# Altium PCB MCU036A_MSP-EXP430FR2355_PCB.PcbDoc (part 1 of 2)
Units mil, origin at the board's own origin, x right, y up, seen from the top; angles counter-clockwise.
Board outline 2300 x 2900 mil, 4 copper layers (Top Layer, VCC Layer, GND Layer, Bottom Layer), stack 62.4 mil thick; 140 components, 113 nets, 453 pads, 278 vias.
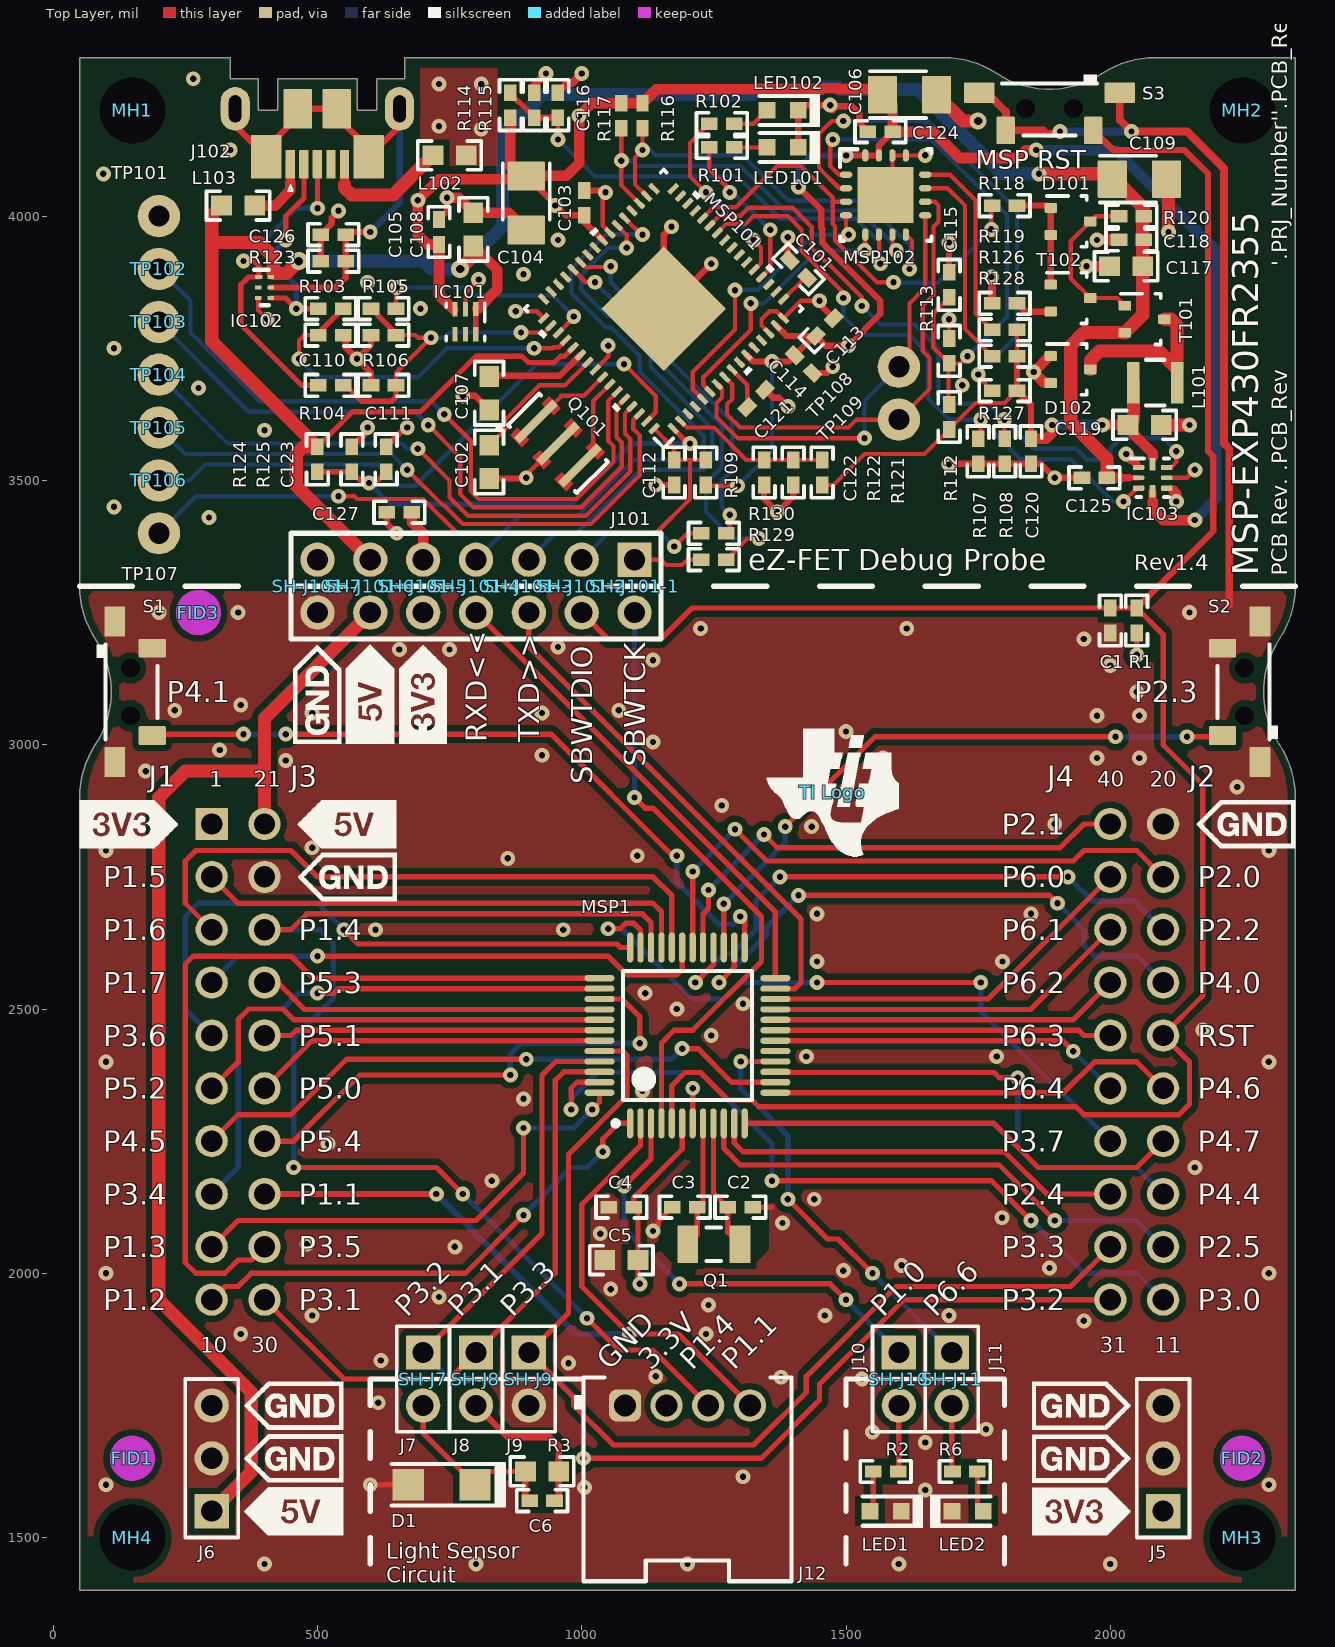
[diagram p0: Top Layer view]
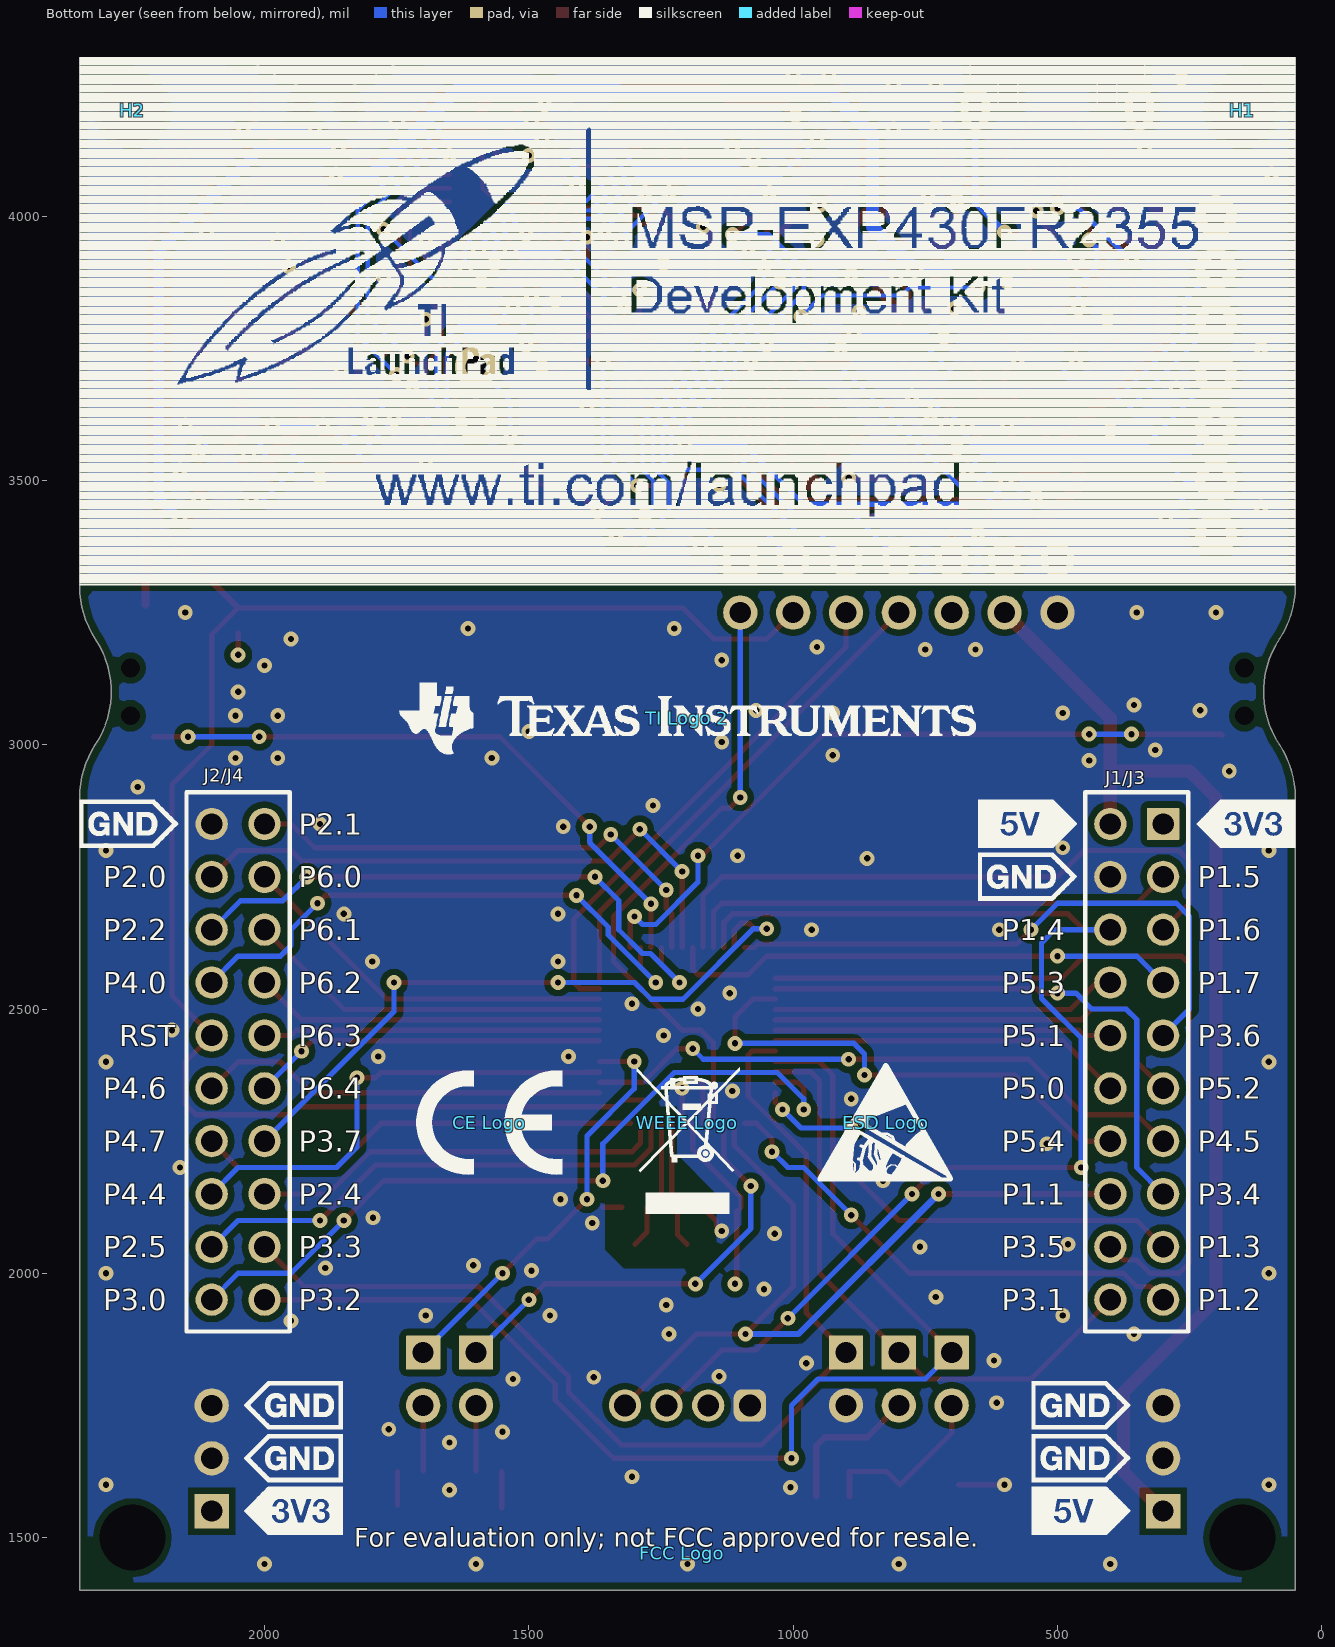
[diagram p1: Bottom Layer view, seen from below]
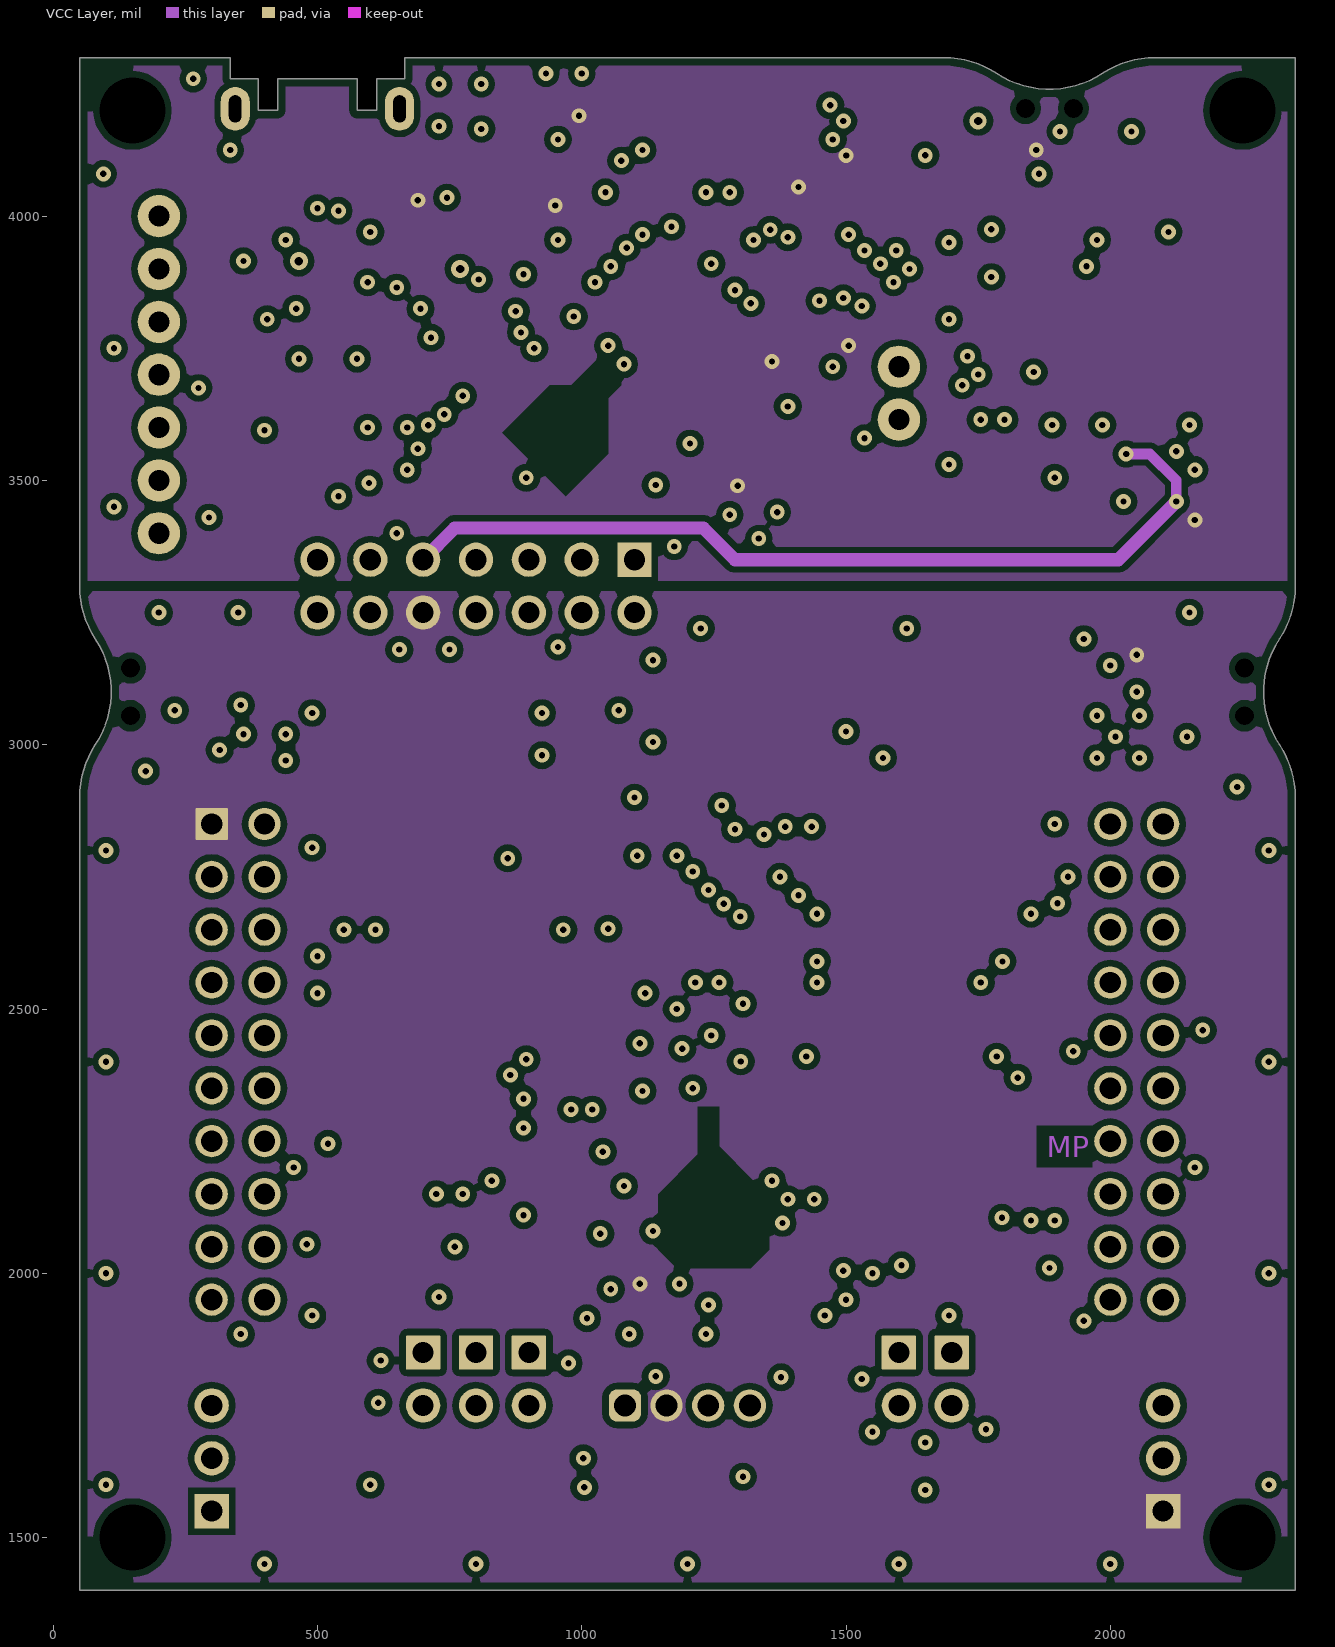
[diagram p2: VCC Layer]
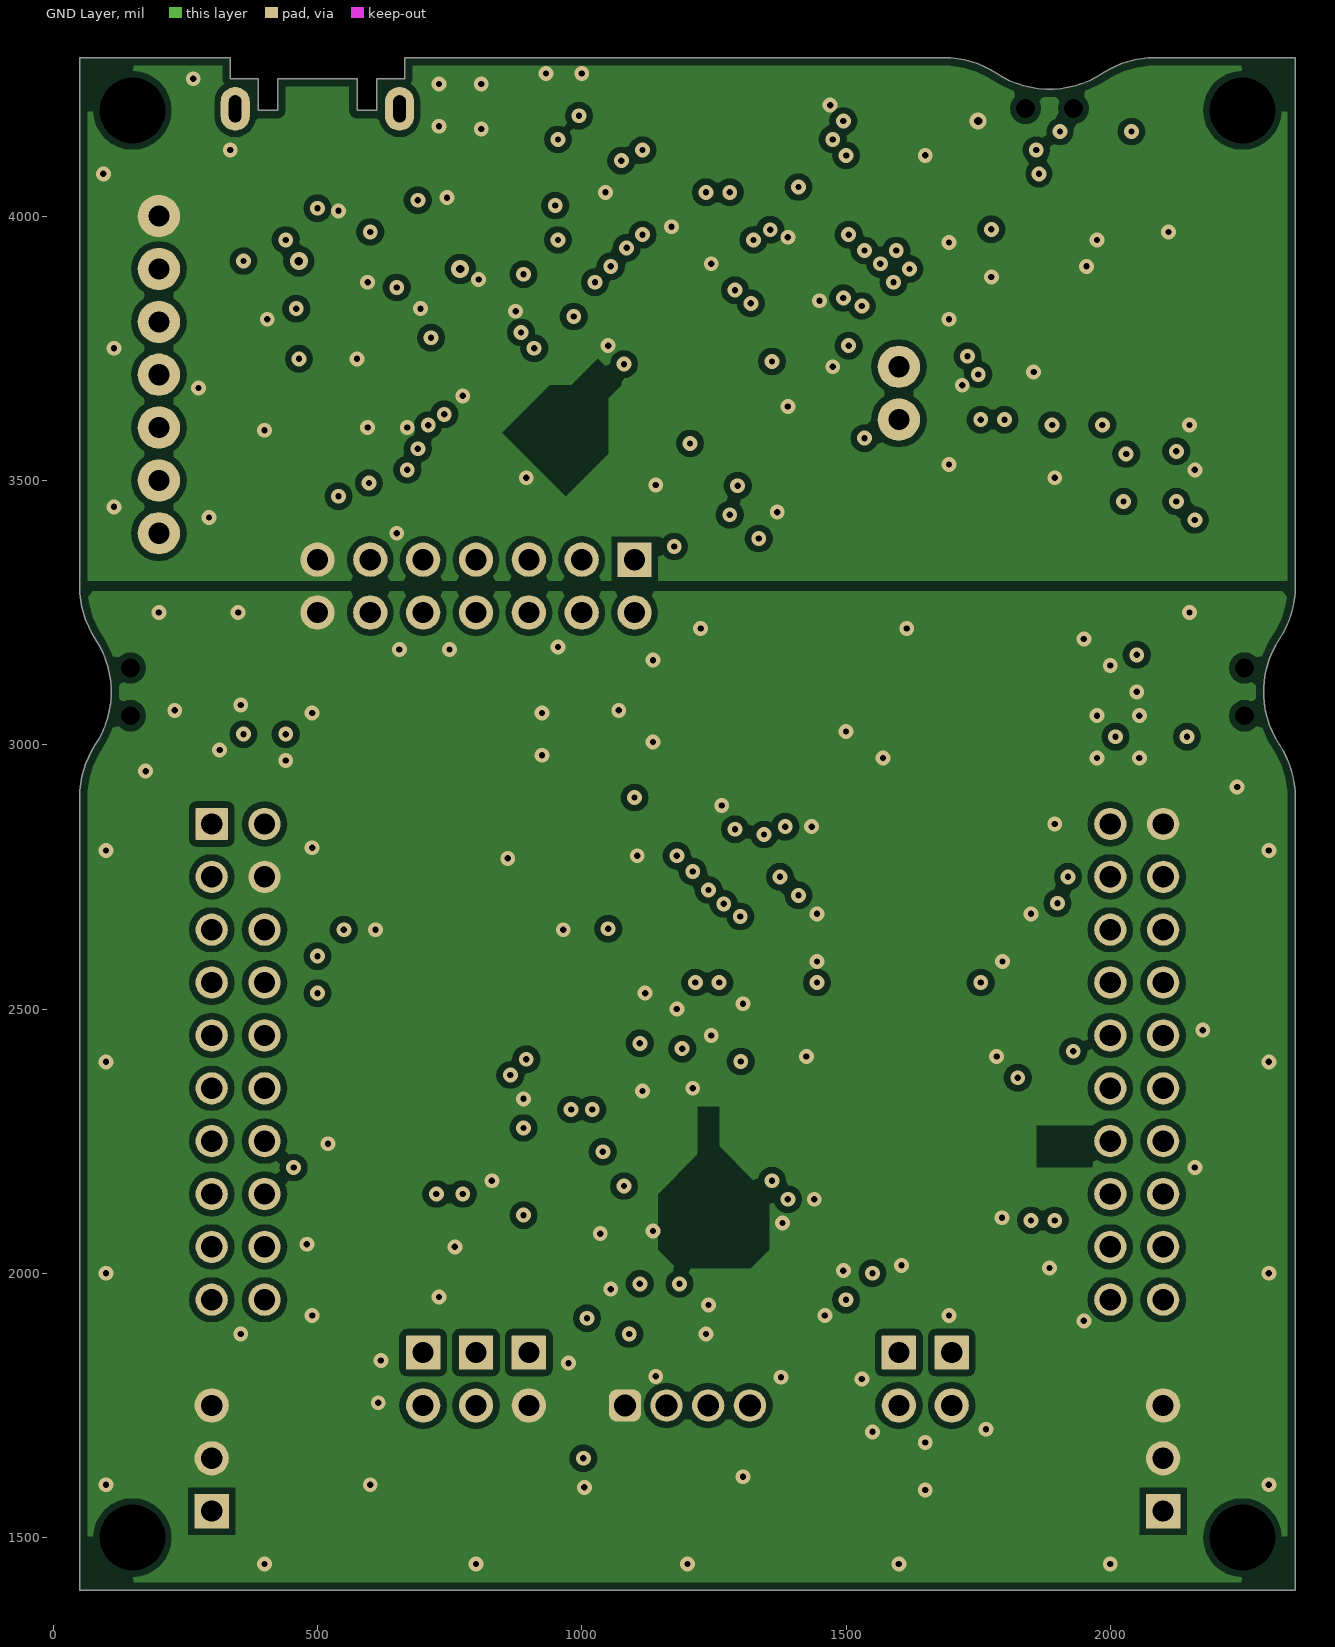
[diagram p3: GND Layer]

## Layer stack, top to bottom
Top Solder: solder mask 0.4, Solder Resist, Dk 3.5
Top Layer: signal copper 1.4
Dielectric 2: core 8.4, FR-4, Dk 4.2
VCC Layer: signal copper 1.4
Dielectric1: prepreg 40, FR-4, Dk 4.2
GND Layer: signal copper 1.4
Dielectric 3: core 8.4, FR-4, Dk 4.2
Bottom Layer: signal copper 1.4
Bottom Solder: solder mask 0.4, Solder Resist, Dk 3.5

## Board outline
50,2900 cw(c231.67,2900) 80,3000 ccw(c-71.67,3100) 80,3200 cw(c231.67,3300) 50,3300 50,4300 335,4300 335,4260 388,4260 388,4200 425,4200 425,4260 575,4260 575,4200 612,4200 612,4260 665,4260 665,4300 1685,4300 cw(c1685,4118.33) 1785,4270 ccw(c1885,4421.67) 1985,4270 cw(c2085,4118.33) 2085,4300 2350,4300 2350,3300 cw(c2168.33,3300) 2320,3200 ccw(c2471.67,3100) 2320,3000 cw(c2168.33,2900) 2350,2900 2350,1400 50,1400

## Design rules (kind name [scope] priority, off if disabled: settings)
AcuteAngle [All] p1: minimum=4.50000000000000E+0001 checktracksonly=FALSE
AssemblyTestPointUsage [All] p1: valid=2
BoardOutlineClearance BoardOutlineClearance_MountingHoles [OnCopper and InComponentClass('Mounting Holes')] p1: gap=15 ignorepadtopadclearanceinfootprint=FALSE
BoardOutlineClearance BoardOutlineClearance_Poly [OnCopper and IsPoly] p2: gap=15 ignorepadtopadclearanceinfootprint=FALSE
BoardOutlineClearance [OnCopper and Not InComponentClass('Logo') and not InComponentClass('FiducialMark') and not InRegion(1000,500,4000,800) and not InPoly] p3: gap=10 ignorepadtopadclearanceinfootprint=FALSE
Clearance Clearance_FiducialMark [IsKeepOut and InComponentClass('FiducialMark') vs IsPad and InComponentClass('FiducialMark')] p1: gap=0 ignorepadtopadclearanceinfootprint=FALSE
Clearance Clearance_Keepouts [((IsTrack Or IsArc) And Not InPoly) And IsFree and IsKeepOut vs ((IsTrack Or IsArc) And Not InPoly) And IsFree and IsKeepOut] p2: gap=0 ignorepadtopadclearanceinfootprint=FALSE
Clearance Clearance_Poly [InPolygon] p3: gap=12 ignorepadtopadclearanceinfootprint=FALSE except(0: Arc-Hole Track-Hole SMDPad-Hole THPad-Hole Via-Hole Fill-Hole Poly-Hole Region-Hole Text-Hole)
Clearance [All] p4: gap=7.87 ignorepadtopadclearanceinfootprint=FALSE except(0: Arc-Hole Track-Hole SMDPad-Hole THPad-Hole Via-Hole Fill-Hole Poly-Hole Region-Hole Text-Hole)
ComponentClearance ComponentClearance_Standoffs [HasFootprint('KY_MAE-10') vs HasFootprint('NPTH125mil')] p1: gap=0 collisioncheckmode=3 verticalgap=0 showdistances=FALSE
ComponentClearance ComponentClearance_2PinHeaders [HasFootprint('TSW-102-07-G-S') vs HasFootprint('TSW-102-07-G-S')] p2: gap=0 collisioncheckmode=3 verticalgap=0 showdistances=FALSE
ComponentClearance ComponentClearance_TestPoint [HasFootprint('Keystone5001') vs HasFootprint('Keystone5001')] p3: gap=1 collisioncheckmode=3 verticalgap=10 showdistances=FALSE
ComponentClearance ComponentClearance_MountingHoles_FiducialMarks [InComponentClass('Mounting Holes') vs InComponentClass('FiducialMark')] p4: gap=10 collisioncheckmode=3 verticalgap=10 showdistances=FALSE
ComponentClearance ComponentClearance_ShuntToShunt [InComponentClass('Shunt') vs InComponentClass('Shunt')] p5: gap=0 collisioncheckmode=3 verticalgap=0 showdistances=FALSE
ComponentClearance ComponentClearance_Shunt [InComponentClass('Header') vs InComponentClass('Shunt')] p6: gap=0 collisioncheckmode=3 verticalgap=0 showdistances=FALSE
ComponentClearance ComponentClearance_Logo [InComponentClass('Logo')] p7: gap=5 collisioncheckmode=3 verticalgap=10 showdistances=FALSE
ComponentClearance ComponentClearance_ScrewToNut [(HasFootprint('NY PMS 440 0025 PH')) vs (HasFootprint('Keystone_1902C'))] p8: gap=5 collisioncheckmode=3 verticalgap=10 showdistances=FALSE
ComponentClearance ComponentClearance_MountingHoles [InComponentClass('Mounting Holes')] p9: gap=250 collisioncheckmode=3 verticalgap=100000 showdistances=FALSE
ComponentClearance ComponentClearance_SmallPassives [HasFootprint('0201*') or HasFootprint('0402*') or HasFootprint('0508') or HasFootprint('0603*') or HasFootprint('0612') or HasFootprint('0805*') or HasFootprint('0815*') or HasFootprint('0830*') or HasFootprint('1206*') or HasFootprint('1210*') or HasFootprint('1808*') or HasFootprint('1812*') or HasFootprint('1825*') or HasFootprint('2010*') or HasFootprint('2220*') or HasFootprint('2225*') or HasFootprint('2512*') or HasFootprint('2728*') or HasFootprint('3518*') vs HasFootprint('0201*') or HasFootprint('0402*') or HasFootprint('0508') or HasFootprint('0603*') or HasFootprint('0612') or HasFootprint('0805*') or HasFootprint('0815*') or HasFootprint('0830*') or HasFootprint('1206*') or HasFootprint('1210*') or HasFootprint('1808*') or HasFootprint('1812*') or HasFootprint('1825*') or HasFootprint('2010*') or HasFootprint('2220*') or HasFootprint('2225*') or HasFootprint('2512*') or HasFootprint('2728*') or HasFootprint('3518*')] p10: gap=5 collisioncheckmode=3 verticalgap=0 showdistances=FALSE
ComponentClearance ComponentClearance_THtoSMT [IsThruComponent vs IsSMTComponent] p11: gap=10 collisioncheckmode=3 verticalgap=0 showdistances=FALSE
ComponentClearance ComponentClearance_THtoTH [IsThruComponent vs IsThruComponent] p12: gap=15 collisioncheckmode=3 verticalgap=0 showdistances=FALSE
ComponentClearance [All] p13: gap=15 collisioncheckmode=3 verticalgap=0 showdistances=FALSE
DiffPairsRouting [All] p1: maxlimit=100 minlimit=10 mostfreqgap=10 toplayer_minwidth=15 toplayer_maxwidth=15 toplayer_prefwidth=15 midlayer1_minwidth=15 midlayer1_maxwidth=15 midlayer1_prefwidth=15 midlayer2_minwidth=15 midlayer2_maxwidth=15 midlayer2_prefwidth=15 bottomlayer_minwidth=15 bottomlayer_maxwidth=15 bottomlayer_prefwidth=15 maxuncoupledlength=1000
FabricationTestPointUsage TestPointUsage [All] p1: valid=2 allowmultiple=FALSE
FabricationTestpoint Testpoint [All] p1: side=3 testpointundercomponent=TRUE minsize=40 maxsize=100 preferedsize=60 minholesize=0 maxholesize=40 preferedholesize=32 testpointgrid=1 allowsidetop=TRUE allowsidebottom=TRUE usegrid=TRUE gridtolerance=0.01
FanoutControl Fanout_LCC [IsLCC] p1: bgadir=Out bgaviamode=Centered fanoutstyle=Auto fanoutdirection=Alternating viagrid=1 // Fanout_LCC (Default Rule)
FanoutControl Fanout_BGA [IsBGA] p2: bgadir=Out bgaviamode=Centered fanoutstyle=Auto fanoutdirection=Alternating viagrid=1 // Fanout_BGA (Default Rule)
FanoutControl Fanout_Default [All] p4: bgadir=Out bgaviamode=Centered fanoutstyle=Auto fanoutdirection=Alternating viagrid=1 // Fanout_Default (Default Rule)
FanoutControl Fanout_Small [(CompPinCount < 5)] p5: bgadir=Out bgaviamode=Centered fanoutstyle=Auto fanoutdirection=OutThenIn viagrid=1 // Fanout_Small (Default Rule)
HoleSize [All] p1: absolutevalues=TRUE maxlimit=251 minlimit=7.87 maxpercent=80.000 minpercent=20.000
MinimumAnnularRing MinimumAnnularRing_ThermalPadVias [IsVia and InAnyComponent] p1: minimumring=5.91
MinimumAnnularRing [All] p2: minimumring=8
MinimumSolderMaskSliver MinimumSolderMaskSliver_Logo [InComponentClass('Logo') vs InComponentClass('Logo')] p1: minsoldermaskwidth=0.7
MinimumSolderMaskSliver [All] p2: minsoldermaskwidth=3.94
PlaneClearance [All] p1: clearance=10
PlaneConnect [All] p1: planeconnectstyle=Relief reliefexpansion=10 reliefentries=4 reliefconductorwidth=10 reliefairgap=10
PolygonConnect [All] p1: connectstyle=Direct reliefconductorwidth=10 reliefentries=4 polygonreliefangle="90 Angle" airgapwidth=10
RoutingVias ThermalPadVias [IsVia and InAnyComponent] p1: holewidth=7.87 width=19.68 viastyle="Through Hole" minholewidth=7.87 minwidth=19.68 maxholewidth=16 maxwidth=30
RoutingVias [All] p2: holewidth=12 width=28 viastyle="Through Hole" minholewidth=7.87 minwidth=26 maxholewidth=40 maxwidth=65
SilkToBoardRegionClearance [Not ((IsComment or IsDesignator) And (Hide <> 'False')) and not InRegion(1000,500,4000,800)] p1:
SilkToSilkClearance SilkToSilkClearance_Pb-FreeLogo [(HasFootprint('Pb-Free_Overlay_Medium') OR HasFootprint('Pb-Free_Overlay_Small')) vs (HasFootprint('Pb-Free_Overlay_Medium') OR HasFootprint('Pb-Free_Overlay_Small'))] p1: silktosilkclearance=0
SilkToSilkClearance [All] p2: silktosilkclearance=3
SilkToSolderMaskClearance SilkToComponentPadClearance [(IsPad or IsFill or IsRegion) and InAnycomponent] p1: minsilkscreentomaskgap=3 clearancetoexposedcopper=TRUE
SilkToSolderMaskClearance "Silk to Solder Mask Opening" [All] p2: minsilkscreentomaskgap=3 clearancetoexposedcopper=FALSE
SolderMaskExpansion SolderMaskExpansion_via [isvia] p1: expansion=-17
SolderMaskExpansion [All] p2: expansion=1.97
Width [All] p1: maxlimit=100 minlimit=6 preferedwidth=10 checkconnectedcopper=TRUE
14 further rules are at their usual default settings.

## Classes and differential pairs
component class FiducialMark: FID1 FID2 FID3
component class AssemblyNote: ZZ2 ZZ3 ZZ4 ZZ5 ZZ6
component class Logo: "TI Logo" "TI Logo 2"
component class MCU036A_Target_Device: C1 C2 C3 C4 C5 C6 D1 J1/J3 J2/J4 J5 J6 J7 J8 J9 J10 J11 J12 LED1 LED2 MSP1 Q1 R1 R2 R3 R6 S1 S2 S3
component class MCU036A_eZFET_1.4: C101 C102 C103 C104 C105 C106 C107 C108 C109 C110 C111 C112 C113 C114 C115 C116 C117 C118 C119 C120 C121 C122 C123 C124 C125 C126 C127 D101 D102 IC101 IC102 IC103 J101 J102 L101 L102 L103 LED101 LED102 MSP101 MSP102 Q101 R101 R102 R103 R104 R105 R106 R107 R108 R109 R112 R113 R114 R115 R116 R117 R118 R119 R120 R121 R122 R123 R124 R125 R126 R127 R128 R129 R130 T101 T102 TP101 TP102 TP103 TP104 TP105 TP106 TP107 TP108 TP109
component class Header: J5 J6 J7 J8 J9 J10 J11 J101
component class MCU036A_Hardware: "CE Logo" "ESD Logo" "FCC Logo" FID1 FID2 FID3 H1 H2 MH1 MH2 MH3 MH4 SH-J7 SH-J8 SH-J9 SH-J10 SH-J11 SH-J101-1 SH-J101-2 SH-J101-3 SH-J101-4 SH-J101-5 SH-J101-6 SH-J101-7 "TI Logo" "TI Logo 2" "WEEE Logo" ZZ2 ZZ3 ZZ4 ZZ5 ZZ6
component class Shunt: SH-J7 SH-J8 SH-J9 SH-J10 SH-J11 SH-J101-1 SH-J101-2 SH-J101-3 SH-J101-4 SH-J101-5 SH-J101-6 SH-J101-7

## Components (designator, comment, footprint, x,y, rotation, side; value= is the part's Value field where it differs from the comment)
C1 "GRM155R71H102KA01D" 0402 2000,3235 r270 top
C2 "GRM1555C1E120JA01D" 0402 1300,2125 r0 top
C3 "GRM1555C1E120JA01D" 0402 1195,2125 r180 top
C4 "GRM155R61H104ME14D" 0402 1075,2125 r180 top
C5 "GRM188R60J106ME84" 0603 1075,2025 r0 top
C6 "GRM1555C1H1R0BA01D" 0402 925,1570 r180 top
C101 "GRM155R61C474KE01" 0402 1410,3900 r315 top
C102 "GRM188R61C224KA88D" 0603 825,3535 r90 top
C103 "GRM155R61A104KA01D" 0402 1005,4025 r270 top
C104 "293D106X0010A2TE3" 3216-18 895,4025 r270 top
C105 "GRM155R61A104KA01D" 0402 730,3970 r270 top
C106 "293D475X9010A2TE3" 3216-18 1620,4230 r0 top
C107 "GRM188R61C224KA88D" 0603 825,3665 r90 top
C108 "GRM185R61A105KE36D" 0603 795,3975 r270 top
C109 "293D475X9010A2TE3" 3216-18 2055,4070 r0 top
C110 "GRM1555C1H100JA01D" 0402 525,3775 r0 top
C111 "GRM1555C1H100JA01D" 0402 625,3680 r180 top
C112 "GRM155R71H102KA01D" 0402 1175,3515 r90 top
C113 "GRM155R61A104KA01D" 0402 1460,3790 r225 top
C114 "GRM155R61A104KA01D" 0402 1420,3720 r135 top
C115 "GRM1555C1H330JA01D" 0402 1695,3870 r270 top
C116 "GRM1555C1H330JA01D" 0402 955,4210 r270 top
C117 "GRM188R61C475KAAJ" 0603 2030,3905 r0 top
C118 "GRM155R61A104KA01D" 0402 2040,3955 r0 top
C119 "GRM188R61C475KAAJ" 0603 2065,3605 r180 top
C120 "GRM155R61A104KA01D" 0402 1850,3555 r90 top
C121 "GRM155R61A104KA01D" 0402 1330,3655 r225 top
C122 "GRM1555C1H330JA01D" 0402 1345,3515 r90 top
C123 "GRM1555C1H330JA01D" 0402 630,3540 r270 top
C124 "GRM155R61A104KA01D" 0402 1565,4160 r0 top
C125 "GRM155R61A104KA01D" 0402 1970,3505 r0 top
C126 "GRM155R61A224KE19D" 0402 530,3965 r0 top
C127 "GRM1555C1H101JA01D" 0402 655,3440 r180 top
"CE Logo" "CE Mark" CE_Mark_5mm 1575,2285 r180 bottom
D1 "SFH 2701" SFH_2701 735,1600 r180 top
D101 "BAS40-05W,115" SOT-323 1925,3990 r0 top
D102 "BAS40-05W,115" SOT-323 1925,3710 r0 top
"ESD Logo" "ESD Susceptible" ESD_Overlay_Medium 825,2285 r180 bottom
"FCC Logo" "FCC disclaimer" FCC_disclaimer 1210,1470 r90 bottom
FID1 "Fiducial" Fiducial6.4-20 150,1650 r0 top
FID2 "Fiducial" Fiducial6.4-20 2250,1650 r0 top
FID3 "Fiducial" Fiducial6.4-20 275,3250 r0 top
H1 "MAE-10" KY_MAE-10 150,4200 r180 bottom
H2 "MAE-10" KY_MAE-10 2250,4200 r180 bottom
IC101 "TLV70033DSET" DSE0006A 780,3800 r270 top
IC102 "TPD4E004DRYR" DRY0006A 400,3865 r0 top
IC103 "TS5A21366RSER" RSE0008A 2080,3505 r0 top
J1/J3 "SSQ-110-03-T-D" BoosterPack_40pin_J1J3 350,2400 r180 bottom
J2/J4 "SSQ-110-03-T-D" BoosterPack_40pin_J2J4 2050,2400 r180 bottom
J5 "PEC03SAAN" PEC03SAAN_Launchpad_3V3 2100,1650 r90 top
J6 "PEC03SAAN" PEC03SAAN_Launchpad_5V0 300,1650 r90 top
J7 "TSW-102-07-G-S" TSW-102-07-G-S 700,1800 r270 top
J8 "TSW-102-07-G-S" TSW-102-07-G-S 800,1800 r270 top
J9 "TSW-102-07-G-S" TSW-102-07-G-S 900,1800 r270 top
J10 "TSW-102-07-G-S" TSW-102-07-G-S 1600,1800 r270 top
J11 "TSW-102-07-G-S" TSW-102-07-G-S 1700,1800 r270 top
J12 "110990037" SEEED_110990037 1200,1750 r0 top
J101 "PEC07DAAN" PEC07DAAN_Launchpad_EZ-FET 800,3300 r180 top
J102 "1051640001" Molex_1051640001 500,4260 r180 top
L101 "CBC2518T2R2M" CBC2518 2085,3685 r180 top
L102 "BLM18HE102SN1D" 0603 750,4115 r0 top
L103 "BLM18HE102SN1D" 0603 350,4020 r180 top
LED1 "LTST-C190CKT" LED_LTST-C190_Red 1575,1550 r0 top
LED2 "LTST-C190GKT" LED_LTST-C190 1730,1550 r180 top
LED101 "LTST-C190CKT" LED_LTST-C190_Red 1380,4130 r0 top
LED102 "LTST-C190GKT" LED_LTST-C190 1380,4200 r0 top
MH1 "MTG_NoPads" NPTH125mil 150,4200 r0 top
MH2 "MTG_NoPads" NPTH125mil 2250,4200 r0 top
MH3 "MTG_NoPads" NPTH125mil 2250,1500 r0 top
MH4 "MTG_NoPads" NPTH125mil 150,1500 r0 top
MSP1 "MSP430FR2355TPT" PT0048A_N 1200,2450 r90 top
MSP101 "MSP430F5528IRGCT" RGC0064B 1155,3825 r135 top
MSP102 "MSP430G2452IRSA16R" RSA0016B 1575,4040 r0 top
Q1 "ECS-.327-12.5-34B-TR" Epson_FC-135 1250,2055 r0 top
Q101 "CSTCR4M00G15L99-R0" Murata_CSTCR 955,3570 r315 top
R1 "RC0402FR-0747KL" 0402 2050,3235 r270 top
R2 "RC0402FR-07470RL" 0402 1575,1625 r0 top
R3 "CRCW06032M37FKEA" 0603 925,1625 r0 top
R6 "CRCW0402392RFKED" 0402 1725,1625 r180 top
R101 "CRCW0402470RJNED" 0402 1265,4130 r180 top
R102 "CRCW0402390RJNED" 0402 1265,4175 r180 top
R103 "CRCW040227R0JNED" 0402 525,3825 r0 top
R104 "CRCW040227R0JNED" 0402 525,3680 r0 top
R105 "CRCW04021K40FKED" 0402 625,3825 r180 top
R106 "CRCW04021M00JNED" 0402 625,3775 r0 top
R107 "CRG0402F4K7" 0402 1750,3555 r90 top
R108 "CRG0402F4K7" 0402 1800,3555 r90 top
R109 "CRCW040247K0JNED" 0402 1235,3515 r90 top
R112 "CRCW0402221KFKED" 0402 1695,3620 r90 top